# Altium PCB PCB_数电实验板_2022-09 - new.pcbdoc (part 1 of 2)
Units mm, origin at the board's own origin, x right, y up, seen from the top; angles counter-clockwise.
Board outline 266.65 x 159.4 mm, 2 copper layers (Top Layer, Bottom Layer); 213 components, 166 nets, 778 pads, 0 vias.
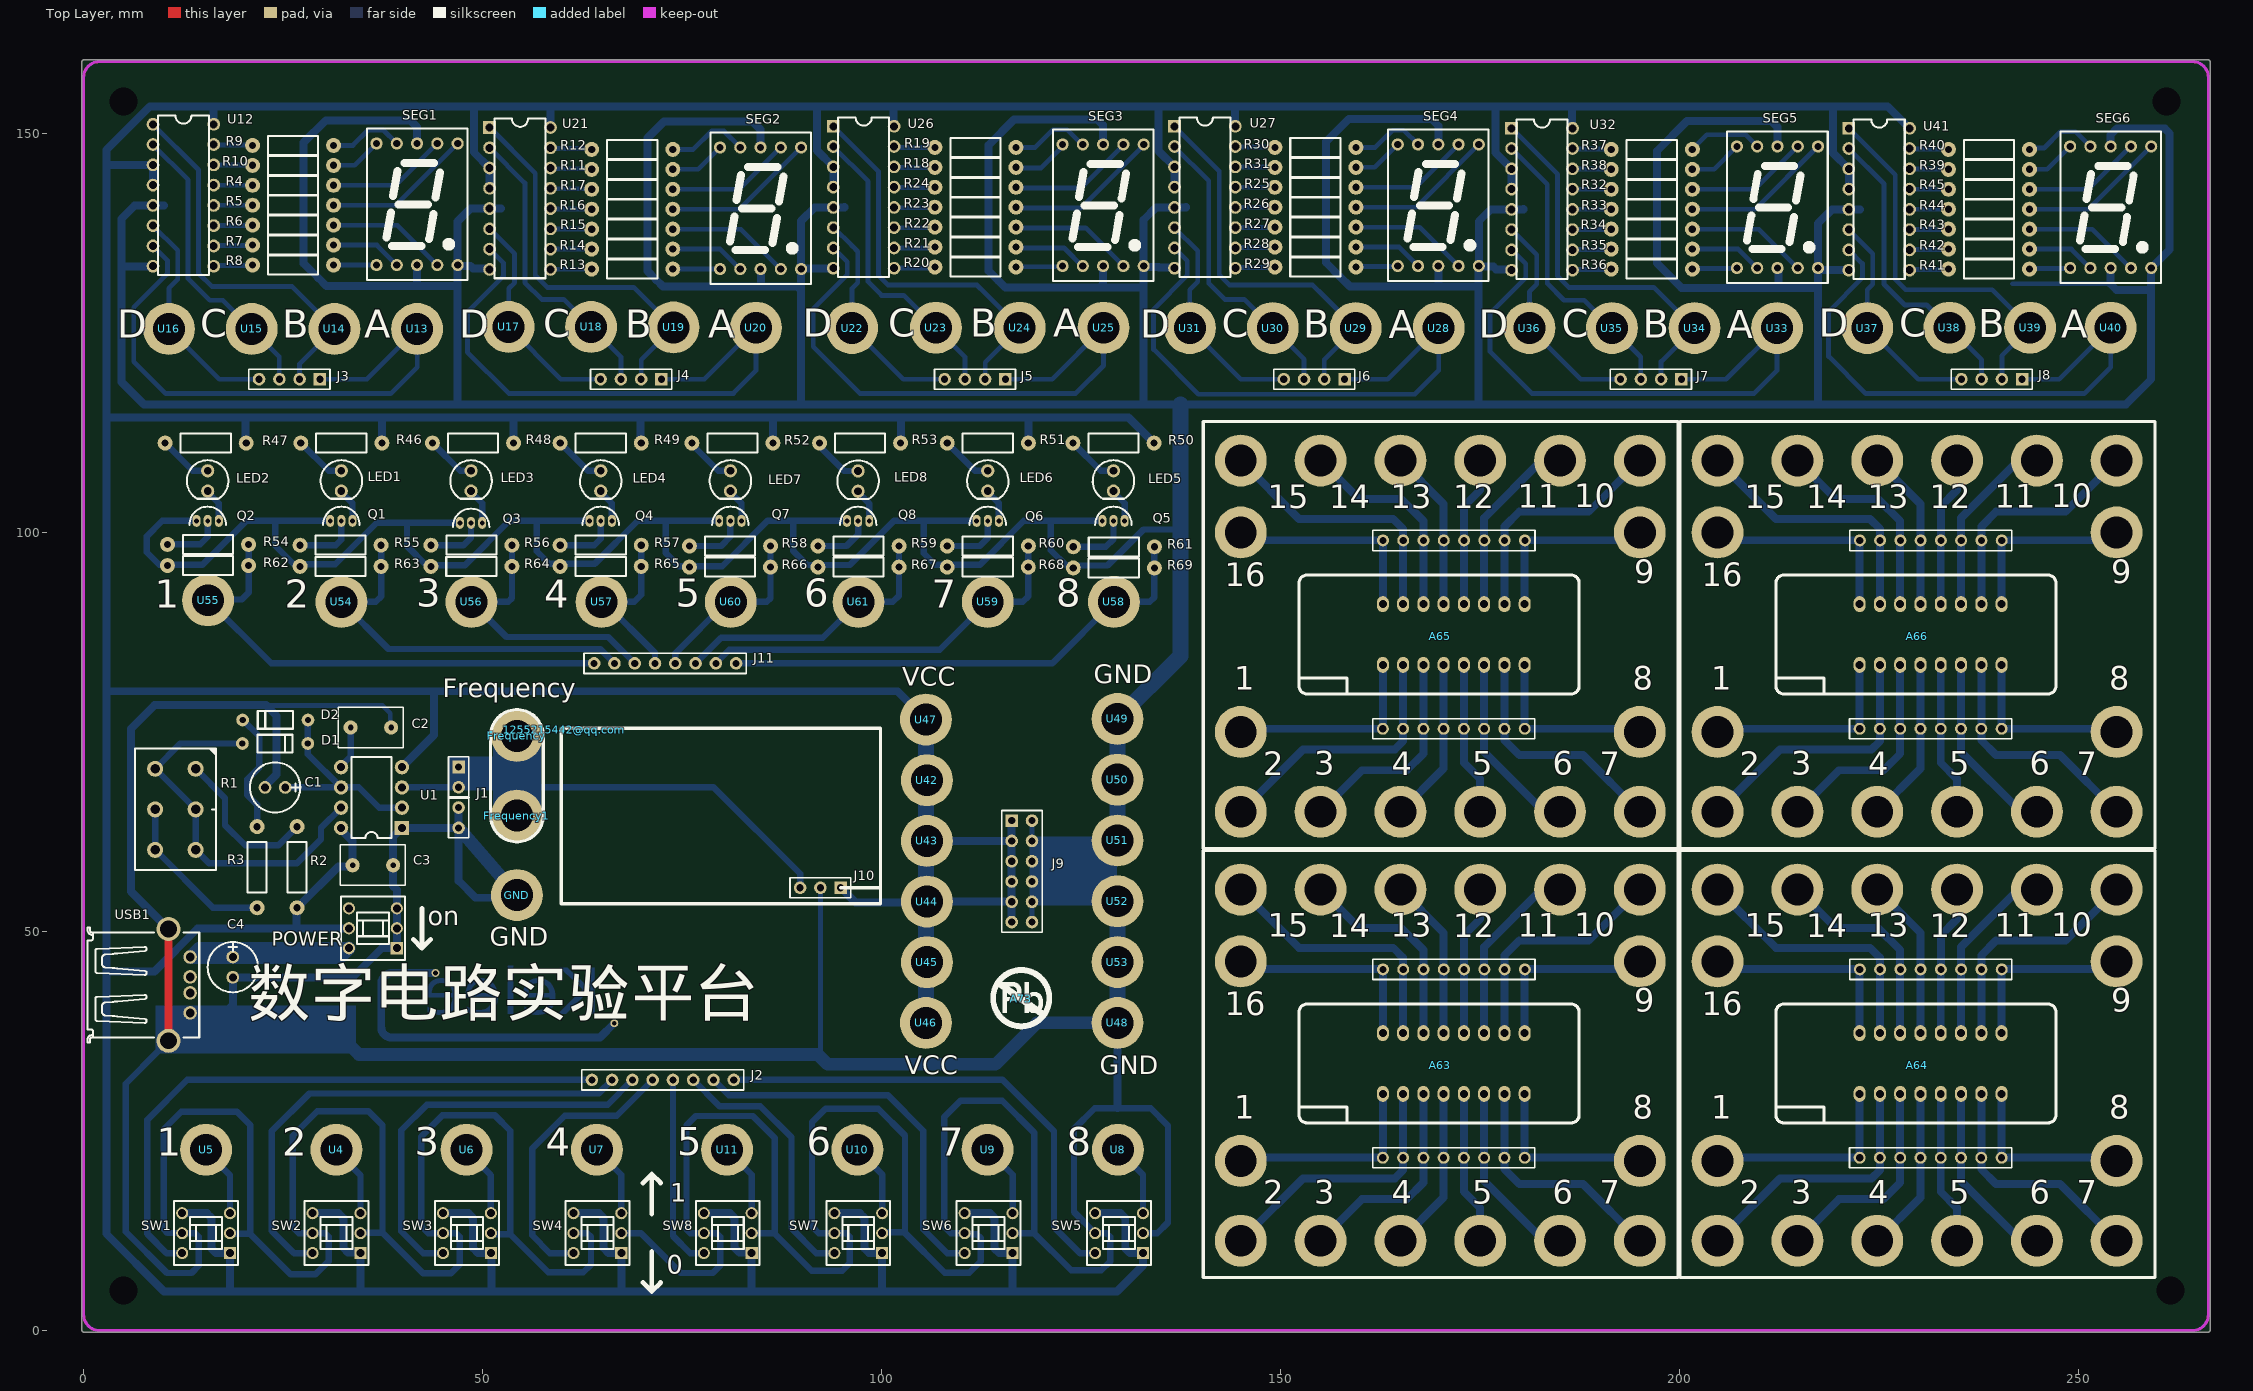
[diagram p0: Top Layer view]
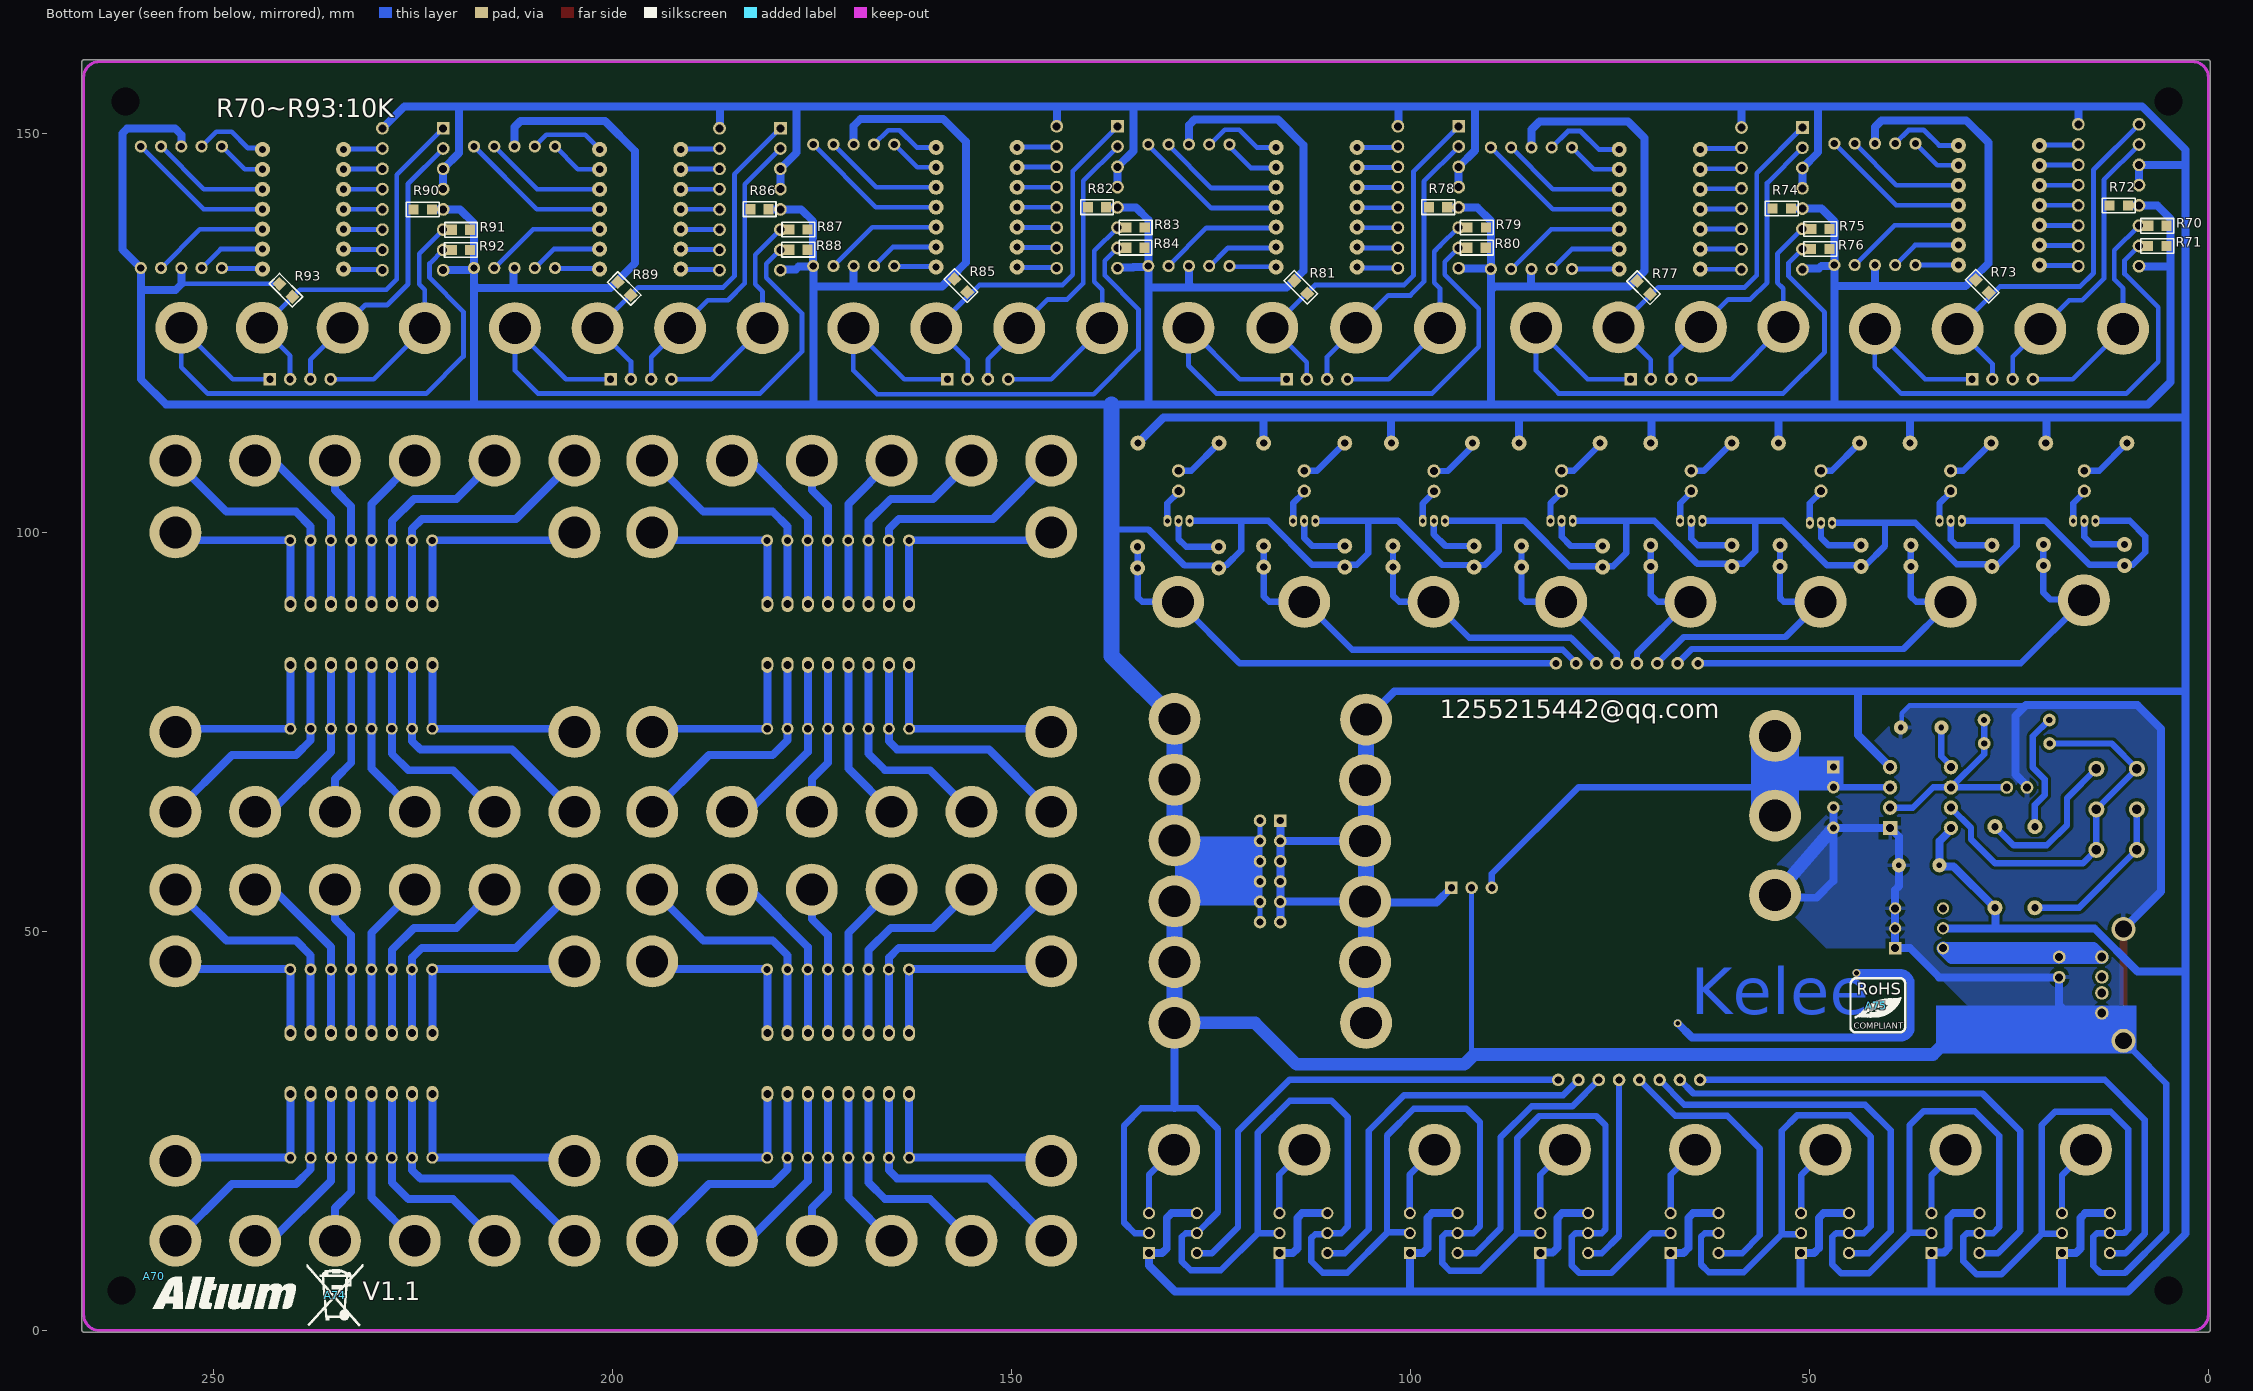
[diagram p1: Bottom Layer view, seen from below]
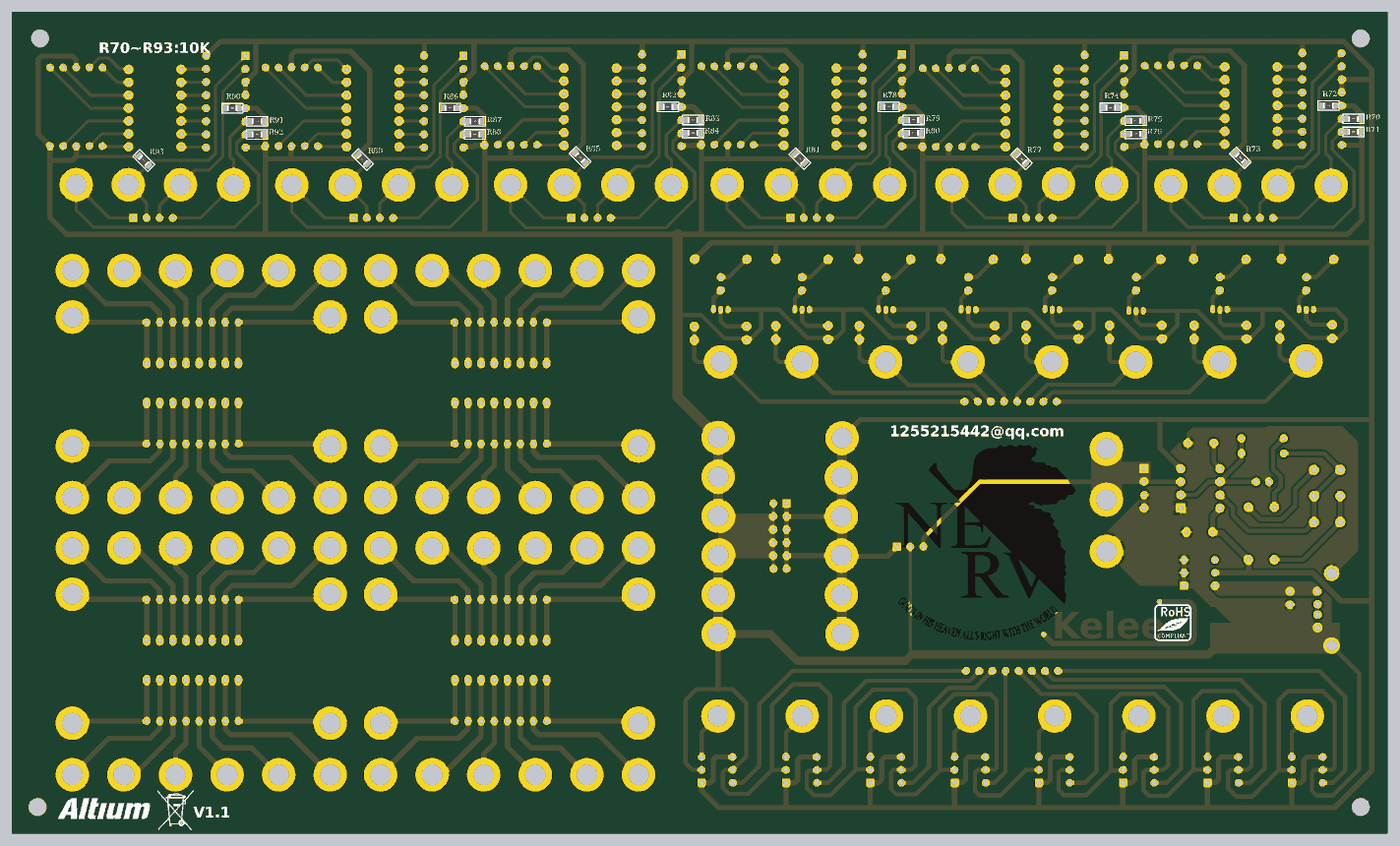
[diagram p3: 3D render of the assembled board from below, using the file's embedded part models]

## Layer stack, top to bottom
Top Solder: solder mask 0.0102, Solder Resist, Dk 3.5
Top Layer: signal copper 0.0356
Dielectric1: dielectric 0.32, FR-4, Dk 4.8
Bottom Layer: signal copper 0.0356
Bottom Solder: solder mask 0.0102, Solder Resist, Dk 3.5

## Board outline
-0.2,0 -0.2,159 cw(c0,159) -0.2,159 cw(c0,159) 0,159.2 266.25,159.2 cw(c266.25,159) 266.45,159 266.45,0 cw(c266.25,0) 266.25,-0.2 0,-0.2 cw(c0,0)

## Design rules (kind name [scope] priority, off if disabled: settings)
AssemblyTestPointUsage [All] p1 off:
AssemblyTestpoint [All] p1 off: testpointundercomponent=TRUE minsize=1.016 maxsize=2.54 preferedsize=1.524 minholesize=0 maxholesize=1.016 preferedholesize=0.813 testpointgrid=0.025 usegrid=TRUE gridtolerance=0 allowsidetop=TRUE allowsidebottom=TRUE
Clearance [All] p1: gap=0.4 ignorepadtopadclearanceinfootprint=TRUE
ComponentClearance [All] p1 off: gap=0.254 collisioncheckmode=3 verticalgap=0.254 showdistances=FALSE
DiffPairsRouting [All] p1 off: maxlimit=0.254 minlimit=0.254 mostfreqgap=0.254 substack1={7C59CE2A-F8EA-431D-9591-10FCB5C553EE} toplayer_{7c59ce2a-f8ea-431d-9591-10fcb5c553ee}_minwidth=0.381 toplayer_{7c59ce2a-f8ea-431d-9591-10fcb5c553ee}_maxwidth=0.381 toplayer_{7c59ce2a-f8ea-431d-9591-10fcb5c553ee}_prefwidth=0.381 bottomlayer_{7c59ce2a-f8ea-431d-9591-10fcb5c553ee}_minwidth=0.381 bottomlayer_{7c59ce2a-f8ea-431d-9591-10fcb5c553ee}_maxwidth=0.381 bottomlayer_{7c59ce2a-f8ea-431d-9591-10fcb5c553ee}_prefwidth=0.381 substack2={9D463DE0-5B85-4EA3-9B83-92F191999BB1} toplayer_{9d463de0-5b85-4ea3-9b83-92f191999bb1}_minwidth=0.381 toplayer_{9d463de0-5b85-4ea3-9b83-92f191999bb1}_maxwidth=0.381 toplayer_{9d463de0-5b85-4ea3-9b83-92f191999bb1}_prefwidth=0.381 bottomlayer_{9d463de0-5b85-4ea3-9b83-92f191999bb1}_minwidth=0.381 bottomlayer_{9d463de0-5b85-4ea3-9b83-92f191999bb1}_maxwidth=0.381 bottomlayer_{9d463de0-5b85-4ea3-9b83-92f191999bb1}_prefwidth=0.381 substack3={BFB879CB-12C7-4EFB-9568-11E793ED11CB} toplayer_{bfb879cb-12c7-4efb-9568-11e793ed11cb}_minwidth=0.381 toplayer_{bfb879cb-12c7-4efb-9568-11e793ed11cb}_maxwidth=0.381 toplayer_{bfb879cb-12c7-4efb-9568-11e793ed11cb}_prefwidth=0.381 bottomlayer_{bfb879cb-12c7-4efb-9568-11e793ed11cb}_minwidth=0.381 bottomlayer_{bfb879cb-12c7-4efb-9568-11e793ed11cb}_maxwidth=0.381 bottomlayer_{bfb879cb-12c7-4efb-9568-11e793ed11cb}_prefwidth=0.381 substack4={4B5122FD-3E89-4E84-9653-AA499EE2DBA4} toplayer_{4b5122fd-3e89-4e84-9653-aa499ee2dba4}_minwidth=0.381 toplayer_{4b5122fd-3e89-4e84-9653-aa499ee2dba4}_maxwidth=0.381 toplayer_{4b5122fd-3e89-4e84-9653-aa499ee2dba4}_prefwidth=0.381 bottomlayer_{4b5122fd-3e89-4e84-9653-aa499ee2dba4}_minwidth=0.381 bottomlayer_{4b5122fd-3e89-4e84-9653-aa499ee2dba4}_maxwidth=0.381 bottomlayer_{4b5122fd-3e89-4e84-9653-aa499ee2dba4}_prefwidth=0.381 toplayer_minwidth=0.381 toplayer_maxwidth=0.381 toplayer_prefwidth=0.381 bottomlayer_minwidth=0.381 bottomlayer_maxwidth=0.381 bottomlayer_prefwidth=0.381 substack5={9C9320A7-74ED-4925-B2ED-8810E6364803} toplayer_{9c9320a7-74ed-4925-b2ed-8810e6364803}_minwidth=0.381 toplayer_{9c9320a7-74ed-4925-b2ed-8810e6364803}_maxwidth=0.381 toplayer_{9c9320a7-74ed-4925-b2ed-8810e6364803}_prefwidth=0.381 bottomlayer_{9c9320a7-74ed-4925-b2ed-8810e6364803}_minwidth=0.381 bottomlayer_{9c9320a7-74ed-4925-b2ed-8810e6364803}_maxwidth=0.381 bottomlayer_{9c9320a7-74ed-4925-b2ed-8810e6364803}_prefwidth=0.381 substack6={85CC2D01-6271-4197-A76E-F43BC440D61A} toplayer_{85cc2d01-6271-4197-a76e-f43bc440d61a}_minwidth=0.381 toplayer_{85cc2d01-6271-4197-a76e-f43bc440d61a}_maxwidth=0.381 toplayer_{85cc2d01-6271-4197-a76e-f43bc440d61a}_prefwidth=0.381 bottomlayer_{85cc2d01-6271-4197-a76e-f43bc440d61a}_minwidth=0.381 bottomlayer_{85cc2d01-6271-4197-a76e-f43bc440d61a}_maxwidth=0.381 bottomlayer_{85cc2d01-6271-4197-a76e-f43bc440d61a}_prefwidth=0.381 substack7={DB400A1C-4D13-4604-8BED-2236C70DC319} toplayer_{db400a1c-4d13-4604-8bed-2236c70dc319}_minwidth=0.381 toplayer_{db400a1c-4d13-4604-8bed-2236c70dc319}_maxwidth=0.381 toplayer_{db400a1c-4d13-4604-8bed-2236c70dc319}_prefwidth=0.381 bottomlayer_{db400a1c-4d13-4604-8bed-2236c70dc319}_minwidth=0.381 bottomlayer_{db400a1c-4d13-4604-8bed-2236c70dc319}_maxwidth=0.381 bottomlayer_{db400a1c-4d13-4604-8bed-2236c70dc319}_prefwidth=0.381 substack8={24B3F2A2-5922-4102-B77F-5C5A281B3E9B} toplayer_{24b3f2a2-5922-4102-b77f-5c5a281b3e9b}_minwidth=0.381 toplayer_{24b3f2a2-5922-4102-b77f-5c5a281b3e9b}_maxwidth=0.381 toplayer_{24b3f2a2-5922-4102-b77f-5c5a281b3e9b}_prefwidth=0.381 bottomlayer_{24b3f2a2-5922-4102-b77f-5c5a281b3e9b}_minwidth=0.381 bottomlayer_{24b3f2a2-5922-4102-b77f-5c5a281b3e9b}_maxwidth=0.381 bottomlayer_{24b3f2a2-5922-4102-b77f-5c5a281b3e9b}_prefwidth=0.381 maxuncoupledlength=12.7
FabricationTestPointUsage [All] p1 off: valid=0 allowmultiple=FALSE
FabricationTestpoint [All] p1 off: side=3 testpointundercomponent=TRUE minsize=1.016 maxsize=2.54 preferedsize=1.524 minholesize=0 maxholesize=1.016 preferedholesize=0.813 testpointgrid=0.025 allowsidetop=TRUE allowsidebottom=TRUE usegrid=TRUE gridtolerance=0
FanoutControl Fanout_BGA [IsBGA] p1 off: bgadir=Out bgaviamode=Centered fanoutstyle=Auto fanoutdirection=Alternating viagrid=0.025 // Fanout_BGA (Default Rule)
FanoutControl Fanout_LCC [IsLCC] p2 off: bgadir=Out bgaviamode=Centered fanoutstyle=Auto fanoutdirection=Alternating viagrid=0.025 // Fanout_LCC (Default Rule)
FanoutControl Fanout_SOIC [IsSOIC] p3 off: bgadir=Out bgaviamode=Centered fanoutstyle=Auto fanoutdirection=Alternating viagrid=0.025 // Fanout_SOIC (Default Rule)
FanoutControl Fanout_Small [(CompPinCount < 5)] p4 off: bgadir=Out bgaviamode=Centered fanoutstyle=Auto fanoutdirection=OutThenIn viagrid=0.025 // Fanout_Small (Default Rule)
FanoutControl Fanout_Default [All] p5 off: bgadir=Out bgaviamode=Centered fanoutstyle=Auto fanoutdirection=Alternating viagrid=0.025 // Fanout_Default (Default Rule)
Height [All] p1 off: minheight=0 maxheight=25.4 prefheight=12.7
HoleSize [All] p1 off: absolutevalues=TRUE maxlimit=2.54 minlimit=0.025 maxpercent=80.000 minpercent=20.000
HoleToHoleClearance [All] p1 off: gap=0.254 allowstackedmicrovias=TRUE
LayerPairs [All] p1 off: enforce=TRUE
MinimumSolderMaskSliver [All] p1 off: minsoldermaskwidth=0.254
NetAntennae [All] p1 off: netantennaetolerance=0
PasteMaskExpansion [All] p1 off: expansion=0
PlaneClearance [All] p1 off: clearance=0.508
PlaneConnect [All] p1 off: planeconnectstyle=Relief reliefexpansion=0.508 reliefentries=4 reliefconductorwidth=0.254 reliefairgap=0.254
PolygonConnect [All] p1: connectstyle=Relief reliefconductorwidth=0.508 reliefentries=4 polygonreliefangle="90 Angle" airgapwidth=0.508
RoutingCorners [All] p1 off: cornerstyle=45-Degree minsetback=2.54 maxsetback=2.54
RoutingLayers [All] p1 off: top layer_v5=TRUE bottom layer_v5=TRUE
RoutingPriority [All] p1 off: routingpriority=0
RoutingTopology [All] p1 off: topology=Shortest
RoutingVias [All] p1: holewidth=0.6 width=0.8 viastyle="Through Hole" minholewidth=0.4 minwidth=0.6 maxholewidth=0.6 maxwidth=0.8
SilkToSilkClearance [All] p1 off: silktosilkclearance=0.254
SilkToSolderMaskClearance [IsPad] p1 off: minsilkscreentomaskgap=0.254 clearancetoexposedcopper=TRUE
SolderMaskExpansion [All] p1 off: expansion=0.102 istentingtop=FALSE
UnRoutedNet [All] p1 off:
UnpouredPolygon [All] p1 off:
Width [All] p1: maxlimit=2 minlimit=0.6 preferedwidth=0.6 substack1={7C59CE2A-F8EA-431D-9591-10FCB5C553EE} substack2={9D463DE0-5B85-4EA3-9B83-92F191999BB1} substack3={BFB879CB-12C7-4EFB-9568-11E793ED11CB} substack4={4B5122FD-3E89-4E84-9653-AA499EE2DBA4} substack5={9C9320A7-74ED-4925-B2ED-8810E6364803} substack6={85CC2D01-6271-4197-A76E-F43BC440D61A} substack7={DB400A1C-4D13-4604-8BED-2236C70DC319} substack8={24B3F2A2-5922-4102-B77F-5C5A281B3E9B}
2 further rules are at their usual default settings.

## Classes and differential pairs
component class SCH_2022-03-12: C1 C2 C3 C4 D1 D2 Frequency GND J1 J2 J3 J4 J5 J6 J7 J8 J9 J10 LED1 LED2 LED3 LED4 LED5 LED6 LED7 LED8 Q1 Q2 Q3 Q4 Q5 Q6 Q7 Q8 R1 R2 R3 R4 R5 R6 R7 R8 R9 R10 R11 R12 R13 R14 R15 R16 R17 R18 R19 R20 R21 R22 R23 R24 R25 R26 R27 R28 R29 R30 R31 R32 R33 R34 R35 R36 R37 R38 R39 R40 R41 R42 R43 R44 R45 R46 R47 R48 R49 R50 R51 R52 R53 SEG1 SEG2 SEG3 SEG4 SEG5 SEG6 SW1 SW2 SW3 SW4 SW5 SW6 SW7 SW8 U1 U4 U5 U6 U7 U8 U9 U10 U11 U12 U13 U14 U15 U16 U17 U18 U19 U20 U21 U22 U23 U24 U25 U26 U27 U28 U29 U30 U31 U32 U33 U34 U35 U36 U37 U38 U39 U40 U41 U42 U43 U44 U45 U46 U47 U48 U49 U50 U51 U52 U53 USB1

## Components (designator, comment, footprint, x,y, rotation, side; value= is the part's Value field where it differs from the comment)
1255215442@qq.com "Comment" NERV 60.25,75.3 r0 top
A63 "Comment" dip16引出模块 162.8,29.65 r90 top
A64 "Comment" dip16引出模块 222.55,29.65 r90 top
A65 "Comment" dip16引出模块 162.8,83.4 r90 top
A66 "Comment" dip16引出模块 222.55,83.4 r90 top
A70 "Comment" Altium_Logo 257.4,6.8 r180 bottom
A73 "Comment" ICO2 117.5,41.6 r0 top
A74 "Comment" ICO3 234.7,4.4 r180 bottom
A75 "Comment" ICO4 41.6,40.7 r180 bottom
C1 "10uF" CAP-TH_BD1.0-P2.54-D6.3-FD 24,68.05 r180 top
C2 "10nF" RAD-0.2 36,75.55 r0 top
C3 "0.1u" RAD-0.2 36.25,58.3 r0 top
C4 "10uF" CAP-TH_BD1.0-P2.54-D6.3-FD 18.7,45.53 r270 top (schematic designator C1)
D1 "1N4148" DO-35_BD2.0-L4.2-P8.20-D0.5-RD 24,73.55 r180 top
D2 "1N4148" DO-35_BD2.0-L4.2-P8.20-D0.5-RD 24.025,76.5 r0 top
Frequency "焊盘" ?#1 54.3,74.5 r0 top (schematic designator U2)
Frequency1 "焊盘" ?#1 54.3,64.525 r0 top (schematic designator U2)
GND "焊盘" ?#1 54.3,54.55 r0 top (schematic designator U3)
J1 "HDR-M-2.54_1x4" HDR-M-2.54_1X4 47,66.8 r270 top
J2 "HDR-M-2.54_1x8" HDR-M-2.54_1X8 73.85,31.4 r0 top
J3 "HDR-M-2.54_1x4" HDR-M-2.54_1X4 25.8,119.2 r180 top
J4 "HDR-M-2.54_1x4" HDR-M-2.54_1X4 68.6,119.2 r180 top
J5 "HDR-M-2.54_1x4" HDR-M-2.54_1X4 111.7,119.2 r180 top
J6 "HDR-M-2.54_1x4" HDR-M-2.54_1X4 154.2,119.2 r180 top
J7 "HDR-M-2.54_1x4" HDR-M-2.54_1X4 196.4,119.2 r180 top
J8 "HDR-M-2.54_1x4" HDR-M-2.54_1X4 239.1,119.2 r180 top
J9 "HDR-M-2.54_2x6" HDR-M-2.54_2X6 117.57,57.53 r270 top
J10 "HDR-M-2.54_1x3" HDR-M-2.54_1X3 92.325,55.475 r180 top
J11 "HDR-M-2.54_1x8" HDR-M-2.54_1X8 74.14,83.6 r0 top
LED1 "LED-TH-5mm_G" LED-TH_BD5.0_GREEN 32.3,106.45 r0 top
LED2 "LED-TH-5mm_G" LED-TH_BD5.0_GREEN 15.55,106.45 r0 top
LED3 "LED-TH-5mm_G" LED-TH_BD5.0_GREEN 48.55,106.45 r0 top
LED4 "LED-TH-5mm_G" LED-TH_BD5.0_GREEN 64.8,106.45 r0 top
LED5 "LED-TH-5mm_G" LED-TH_BD5.0_GREEN 129.05,106.45 r0 top
LED6 "LED-TH-5mm_G" LED-TH_BD5.0_GREEN 113.3,106.45 r0 top
LED7 "LED-TH-5mm_G" LED-TH_BD5.0_GREEN 81.05,106.45 r0 top
LED8 "LED-TH-5mm_G" LED-TH_BD5.0_GREEN 97.05,106.43 r0 top
POWER "XKB8080-Z" SW-TH_6P-L8.0-W8.0-P2.50 36.25,50.4 r90 top (schematic designator SW1)
Q1 "npn-to92" ?#2 32.3,101.323 r90 top
Q2 "npn-to92" ?#2 15.55,101.323 r90 top
Q3 "npn-to92" ?#2 48.55,101.073 r90 top
Q4 "npn-to92" ?#2 64.8,101.323 r90 top
Q5 "npn-to92" ?#2 129.05,101.323 r90 top
Q6 "npn-to92" ?#2 113.3,101.323 r90 top
Q7 "npn-to92" ?#2 81.05,101.323 r90 top
Q8 "npn-to92" ?#2 97.05,101.323 r90 top
R1 "50k" ?#3 11.5,65.3 r270 top
R2 "100" R_AXIAL-0.4 26.75,58.05 r270 top
R3 "100" R_AXIAL-0.4 21.75,58.05 r90 top
R4 "300" R_AXIAL-0.4 26.25,143.5 r0 top
R5 "300" R_AXIAL-0.4 26.25,141 r0 top
R6 "300" R_AXIAL-0.4 26.25,138.5 r0 top
R7 "300" R_AXIAL-0.4 26.25,136 r0 top
R8 "300" R_AXIAL-0.4 26.25,133.5 r0 top
R9 "300" R_AXIAL-0.4 26.25,148.5 r0 top
R10 "300" R_AXIAL-0.4 26.25,146 r0 top
R11 "300" R_AXIAL-0.4 68.75,145.5 r0 top
R12 "300" R_AXIAL-0.4 68.75,148 r0 top
R13 "300" R_AXIAL-0.4 68.75,133 r0 top
R14 "300" R_AXIAL-0.4 68.75,135.5 r0 top
R15 "300" R_AXIAL-0.4 68.75,138 r0 top
R16 "300" R_AXIAL-0.4 68.75,140.5 r0 top
R17 "300" R_AXIAL-0.4 68.75,143 r0 top
R18 "300" R_AXIAL-0.4 111.75,145.75 r0 top
R19 "300" R_AXIAL-0.4 111.75,148.25 r0 top
R20 "300" R_AXIAL-0.4 111.75,133.25 r0 top
R21 "300" R_AXIAL-0.4 111.75,135.75 r0 top
R22 "300" R_AXIAL-0.4 111.75,138.25 r0 top
R23 "300" R_AXIAL-0.4 111.75,140.75 r0 top
R24 "300" R_AXIAL-0.4 111.75,143.25 r0 top
R25 "300" R_AXIAL-0.4 154.35,143.25 r0 top
R26 "300" R_AXIAL-0.4 154.35,140.75 r0 top
R27 "300" R_AXIAL-0.4 154.35,138.25 r0 top
R28 "300" R_AXIAL-0.4 154.35,135.75 r0 top
R29 "300" R_AXIAL-0.4 154.35,133.25 r0 top
R30 "300" R_AXIAL-0.4 154.35,148.25 r0 top
R31 "300" R_AXIAL-0.4 154.35,145.75 r0 top
R32 "300" R_AXIAL-0.4 196.5,143 r0 top
R33 "300" R_AXIAL-0.4 196.5,140.5 r0 top
R34 "300" R_AXIAL-0.4 196.5,138 r0 top
R35 "300" R_AXIAL-0.4 196.5,135.5 r0 top
R36 "300" R_AXIAL-0.4 196.5,133 r0 top
R37 "300" R_AXIAL-0.4 196.5,148 r0 top
R38 "300" R_AXIAL-0.4 196.5,145.5 r0 top
R39 "300" R_AXIAL-0.4 238.75,145.5 r0 top
R40 "300" R_AXIAL-0.4 238.75,148 r0 top
R41 "300" R_AXIAL-0.4 238.75,133 r0 top
R42 "300" R_AXIAL-0.4 238.75,135.5 r0 top
R43 "300" R_AXIAL-0.4 238.75,138 r0 top
R44 "300" R_AXIAL-0.4 238.75,140.5 r0 top
R45 "300" R_AXIAL-0.4 238.75,143 r0 top
R46 "1k" R_AXIAL-0.4 32.3,111.2 r0 top
R47 "1k" R_AXIAL-0.4 15.3,111.2 r0 top
R48 "1k" R_AXIAL-0.4 48.8,111.2 r0 top
R49 "1k" R_AXIAL-0.4 64.8,111.2 r0 top
R50 "1k" R_AXIAL-0.4 129.05,111.2 r0 top
R51 "1k" R_AXIAL-0.4 113.3,111.2 r0 top
R52 "1k" R_AXIAL-0.4 81.3,111.2 r0 top
R53 "1k" R_AXIAL-0.4 97.3,111.2 r0 top
R54 "2k" R_AXIAL-0.4 15.6,98.5 r0 top
R55 "2k" R_AXIAL-0.4 32.2,98.4 r0 top
R56 "2k" R_AXIAL-0.4 48.6,98.4 r0 top
R57 "2k" R_AXIAL-0.4 64.8,98.4 r0 top
R58 "2k" R_AXIAL-0.4 81,98.3 r0 top
R59 "2k" R_AXIAL-0.4 97.1,98.3 r0 top
R60 "2k" R_AXIAL-0.4 113.3,98.3 r0 top
R61 "2k" R_AXIAL-0.4 129.1,98.2 r0 top
R62 "2k" R_AXIAL-0.4 15.595,95.85 r0 top (schematic designator R54)
R63 "2k" R_AXIAL-0.4 32.2,95.75 r0 top (schematic designator R55)
R64 "2k" R_AXIAL-0.4 48.595,95.75 r0 top (schematic designator R56)
R65 "2k" R_AXIAL-0.4 64.795,95.75 r0 top (schematic designator R57)
R66 "2k" R_AXIAL-0.4 80.988,95.65 r0 top (schematic designator R58)
R67 "2k" R_AXIAL-0.4 97.095,95.65 r0 top (schematic designator R59)
R68 "2k" R_AXIAL-0.4 113.295,95.65 r0 top (schematic designator R60)
R69 "2k" R_AXIAL-0.4 129.095,95.55 r0 top (schematic designator R61)
R70 "Comment" "R 0805_M" 6.4,138.425 r180 bottom
R71 "Comment" "R 0805_M" 6.407,135.9 r180 bottom
R72 "Comment" "R 0805_M" 11.232,140.975 r180 bottom
R73 "Comment" "R 0805_M" 28.342,130.842 r225 bottom
R74 "Comment" "R 0805_M" 53.464,140.575 r180 bottom
R75 "Comment" "R 0805_M" 48.632,138.025 r180 bottom
R76 "Comment" "R 0805_M" 48.639,135.5 r180 bottom
R77 "Comment" "R 0805_M" 70.775,130.675 r225 bottom
R78 "Comment" "R 0805_M" 96.514,140.75 r180 bottom
R79 "Comment" "R 0805_M" 91.682,138.2 r180 bottom
R80 "Comment" "R 0805_M" 91.689,135.675 r180 bottom
R81 "Comment" "R 0805_M" 113.725,130.725 r225 bottom
R82 "Comment" "R 0805_M" 139.264,140.75 r180 bottom
R83 "Comment" "R 0805_M" 134.432,138.2 r180 bottom
R84 "Comment" "R 0805_M" 134.439,135.675 r180 bottom
R85 "Comment" "R 0805_M" 156.325,130.925 r225 bottom
R86 "Comment" "R 0805_M" 181.55,140.5 r180 bottom
R87 "Comment" "R 0805_M" 176.682,137.95 r180 bottom
R88 "Comment" "R 0805_M" 176.689,135.425 r180 bottom
R89 "Comment" "R 0805_M" 198.5,130.55 r225 bottom
R90 "Comment" "R 0805_M" 223.75,140.475 r180 bottom
R91 "Comment" "R 0805_M" 218.957,137.925 r180 bottom
R92 "Comment" "R 0805_M" 218.964,135.4 r180 bottom
R93 "Comment" "R 0805_M" 240.899,130.342 r225 bottom
SEG1 "SEG-TH_0.56×1_Cathode" LED-SEG-TH_10P-L12.6-W19.0-P2.54-S15.24-BL 41.79,141.12 r0 top
SEG2 "SEG-TH_0.56×1_Cathode" LED-SEG-TH_10P-L12.6-W19.0-P2.54-S15.24-BL 84.83,140.62 r0 top
SEG3 "SEG-TH_0.56×1_Cathode" LED-SEG-TH_10P-L12.6-W19.0-P2.54-S15.24-BL 127.75,141 r0 top
SEG4 "SEG-TH_0.56×1_Cathode" LED-SEG-TH_10P-L12.6-W19.0-P2.54-S15.24-BL 169.75,141 r0 top
SEG5 "SEG-TH_0.56×1_Cathode" LED-SEG-TH_10P-L12.6-W19.0-P2.54-S15.24-BL 212.25,140.75 r0 top
SEG6 "SEG-TH_0.56×1_Cathode" LED-SEG-TH_10P-L12.6-W19.0-P2.54-S15.24-BL 254,140.75 r0 top
SW1 "XKB8080-Z" SW-TH_6P-L8.0-W8.0-P2.50 15.35,12.2 r90 top
SW2 "XKB8080-Z" SW-TH_6P-L8.0-W8.0-P2.50 31.693,12.2 r90 top
SW3 "XKB8080-Z" SW-TH_6P-L8.0-W8.0-P2.50 48.036,12.2 r90 top
SW4 "XKB8080-Z" SW-TH_6P-L8.0-W8.0-P2.50 64.38,12.2 r90 top
SW5 "XKB8080-Z" SW-TH_6P-L8.0-W8.0-P2.50 129.752,12.2 r90 top
SW6 "XKB8080-Z" SW-TH_6P-L8.0-W8.0-P2.50 113.409,12.2 r90 top
SW7 "XKB8080-Z" SW-TH_6P-L8.0-W8.0-P2.50 97.066,12.2 r90 top
SW8 "XKB8080-Z" SW-TH_6P-L8.0-W8.0-P2.50 80.723,12.2 r90 top
U1 "NE555N_C5161" DIP-8_L9.7-W6.4-P2.54-LS7.6-BL 36.078,66.781 r90 top
U4 "焊盘" ?#1 31.671,22.65 r0 top
U5 "焊盘" ?#1 15.35,22.65 r0 top
U6 "焊盘" ?#1 47.993,22.65 r0 top
U7 "焊盘" ?#1 64.314,22.65 r0 top
U8 "焊盘" ?#1 129.6,22.65 r0 top
U9 "焊盘" ?#1 113.279,22.65 r0 top
U10 "焊盘" ?#1 96.957,22.65 r0 top
U11 "焊盘" ?#1 80.636,22.65 r0 top
U12 "CD4511BE" DIP-16_L19.8-W6.5-P2.54-LS7.6-BL#1 12.5,142.25 r270 top
U13 "焊盘" ?#1 41.8,125.5 r270 top
U14 "焊盘" ?#1 31.433,125.5 r270 top
U15 "焊盘" ?#1 21.067,125.5 r270 top
U16 "焊盘" ?#1 10.7,125.5 r270 top
U17 "焊盘" ?#1 53.267,125.75 r0 top
U18 "焊盘" ?#1 63.594,125.75 r0 top
U19 "焊盘" ?#1 73.922,125.7 r0 top
U20 "焊盘" ?#1 84.25,125.65 r0 top
U21 "CD4511BE" DIP-16_L19.8-W6.5-P2.54-LS7.6-BL#2 54.69,141.85 r270 top
U22 "焊盘" ?#1 96.3,125.6 r0 top
U23 "焊盘" ?#1 106.8,125.65 r0 top
U24 "焊盘" ?#1 117.3,125.65 r0 top
U25 "焊盘" ?#1 127.8,125.65 r0 top
U26 "CD4511BE" DIP-16_L19.8-W6.5-P2.54-LS7.6-BL#2 97.75,142 r270 top
U27 "CD4511BE" DIP-16_L19.8-W6.5-P2.54-LS7.6-BL#2 140.5,142 r270 top
U28 "焊盘" ?#1 169.8,125.6 r0 top
U29 "焊盘" ?#1 159.406,125.6 r0 top
U30 "焊盘" ?#1 149.011,125.6 r0 top
U31 "焊盘" ?#1 138.617,125.6 r0 top
U32 "CD4511BE" DIP-16_L19.8-W6.5-P2.54-LS7.6-BL#2 182.75,141.75 r270 top
U33 "焊盘" ?#1 212.2,125.6 r0 top
U34 "焊盘" ?#1 201.856,125.6 r0 top
U35 "焊盘" ?#1 191.511,125.6 r0 top
U36 "焊盘" ?#1 181.167,125.6 r0 top
U37 "焊盘" ?#1 223.5,125.6 r0 top
U38 "焊盘" ?#1 233.8,125.65 r0 top
U39 "焊盘" ?#1 243.9,125.65 r0 top
U40 "焊盘" ?#1 254,125.65 r0 top
U41 "CD4511BE" DIP-16_L19.8-W6.5-P2.54-LS7.6-BL#2 225,141.75 r270 top
U42 "焊盘" ?#1 105.672,68.95 r0 top
U43 "焊盘" ?#1 105.672,61.35 r0 top
U44 "焊盘" ?#1 105.672,53.75 r0 top
U45 "焊盘" ?#1 105.672,46.15 r0 top
U46 "焊盘" ?#1 105.55,38.55 r0 top
U47 "焊盘" ?#1 105.55,76.55 r0 top
U48 "焊盘" ?#1 129.55,38.55 r0 top
U49 "焊盘" ?#1 129.55,76.634 r0 top
U50 "焊盘" ?#1 129.55,69.017 r0 top
U51 "焊盘" ?#1 129.55,61.4 r0 top
U52 "焊盘" ?#1 129.55,53.784 r0 top
U53 "焊盘" ?#1 129.55,46.167 r0 top
U54 "焊盘" ?#1 32.3,91.3 r0 top
U55 "焊盘" ?#1 15.6,91.5 r0 top
U56 "焊盘" ?#1 48.6,91.3 r0 top
U57 "焊盘" ?#1 64.9,91.3 r0 top
U58 "焊盘" ?#1 129.1,91.3 r0 top
U59 "焊盘" ?#1 113.3,91.3 r0 top
U60 "焊盘" ?#1 81.1,91.3 r0 top
U61 "焊盘" ?#1 97.1,91.3 r0 top
USB1 "JTJ-USB-AF-08" USB-A-TH__USB-AF-90 12,43.3 r270 top

## Footprints (in the part's own frame and the unit in brackets; to place one, negate y for a bottom-side part, rotate by r counter-clockwise, add the part's x,y. Pads: shape width x height; smd on the part's side, far side on the other; paste and mask are expansions set on the pad)
Altium_Logo [mm]
  silkscreen extent -0.15,-4.13 17.73,-0.11
CAP-TH_BD1.0-P2.54-D6.3-FD [mm]
  round 1.6 hole 1: 1(-1.27,0) 2(1.27,0)
  silkscreen extent -3.15,-3.15 3.15,3.15
dip16引出模块 [mm]
  round 6.5 hole 4: 1(-8.4,17.8) 2(-18.4,17.8) 3(-18.4,7.8) 4(-18.4,-2.2) 5(-18.4,-12.2) 6(-18.4,-22.2) 7(-18.4,-32.2) 8(-8.4,-32.2) 9(16.6,-32.2) 10(25.6,-32.2) 11(25.6,-22.2) 12(25.6,-12.2) 13(25.6,-2.2) 14(25.6,7.8) 15(25.6,17.8) 16(16.6,17.8)
  round 1.5 hole 0.9: 1(-8,0) 2(-8,-2.54) 3(-8,-5.08) 4(-8,-7.62) 5(-8,-10.16) 6(-8,-12.7) 7(-8,-15.24) 8(-8,-17.78) 9(15.6,-17.8) 10(15.6,-15.26) 11(15.6,-12.72) 12(15.6,-10.18) 13(15.6,-7.64) 14(15.6,-5.1) 15(15.6,-2.56) 16(15.6,-0.02)
  oval 2x1.5 hole 1: 1(0,0) 2(0,-2.54) 3(0,-5.08) 4(0,-7.62) 5(0,-10.16) 6(0,-12.7) 7(0,-15.24) 8(0,-17.78) 9(7.62,-17.78) 10(7.62,-15.24) 11(7.62,-12.7) 12(7.62,-10.16) 13(7.62,-7.62) 14(7.62,-5.08) 15(7.62,-2.54) 16(7.62,0)
  Bottom Layer lines w1: -17.6,17.8 -17.6,17 -10.6,10 -10.6,-1.5 -9.56,-2.54 -8,-2.54 0,-2.54 ; 25.6,17.8 18.3,10.5 18.3,-1.3 17.06,-2.54 15.62,-2.54 7.62,-2.54 ; -8,17.4 -8,0 0,0 ; 15.62,16.82 15.62,0 7.62,0 ; -18.4,7.8 -13.2,2.6 -13.2,-3 -11.12,-5.08 -8,-5.08 0,-5.08 ; 25.6,7.8 20.8,3 20.8,-2.3 18.02,-5.08 15.62,-5.08 7.62,-5.08 ; -18.4,-2.2 -12.98,-7.62 -8,-7.62 0,-7.62 ; 25.6,-2.2 20.18,-7.62 15.62,-7.62 7.62,-7.62 ; 0,-10.16 -8,-10.16 -12.26,-10.16 -14.3,-12.2 -18.4,-12.2 ; 7.62,-10.16 15.62,-10.16 ; 15.6,-10.18 19.88,-10.18 21.9,-12.2 25.6,-12.2 ; 0,-12.7 -8,-12.7 -10.9,-12.7 -18.4,-20.2 -18.4,-22.2 ; 7.62,-12.7 15.62,-12.7 18.4,-12.7 25.6,-19.9 25.6,-22.2 ; 0,-15.24 -8,-15.24 -9.44,-15.24 -11.3,-17.1 -11.3,-25.1 -18.4,-32.2 ; 7.62,-15.24 15.62,-15.24 ; 15.6,-15.26 17.36,-15.26 19.2,-17.1 19.2,-25.8 25.6,-32.2 ; 0,-17.78 -8,-17.78 -8,-31.8 -8.4,-32.2 ; 7.62,-17.78 15.62,-17.78 15.62,-31.92 16.1,-32.4
  silkscreen extent -23,-37 30.5,22.5, body extent -8.67,-18.25 16.87,2.07, height 8.54
DIP-8_L9.7-W6.4-P2.54-LS7.6-BL [mm]
  rect 1.8x1.8 hole 1: 1(-3.81,-3.81)
  round 1.8 hole 1: 2(-1.27,-3.81) 3(1.27,-3.81) 4(3.81,-3.81) 5(3.81,3.81) 6(1.27,3.81) 7(-1.27,3.81) 8(-3.81,3.81)
  silkscreen extent -5.08,-2.53 5.08,2.53
DIP-16_L19.8-W6.5-P2.54-LS7.6-BL#1 [mm]
  round 1.6 hole 1: 1(-8.89,-3.81) 2(-6.35,-3.81) 3(-3.81,-3.81) 4(-1.27,-3.81) 5(1.27,-3.81) 6(3.81,-3.81) 7(6.35,-3.81) 8(8.89,-3.81) 9(8.89,3.81) 10(6.35,3.81) 11(3.81,3.81) 12(1.27,3.81) 13(-1.27,3.81) 14(-3.81,3.81) 15(-6.35,3.81) 16(-8.89,3.81)
  silkscreen extent -10,-3.2 10,3.2
DIP-16_L19.8-W6.5-P2.54-LS7.6-BL#2 [mm]
  rect 1.6x1.6 hole 1: 1(-8.89,-3.81)
  round 1.6 hole 1: 2(-6.35,-3.81) 3(-3.81,-3.81) 4(-1.27,-3.81) 5(1.27,-3.81) 6(3.81,-3.81) 7(6.35,-3.81) 8(8.89,-3.81) 9(8.89,3.81) 10(6.35,3.81) 11(3.81,3.81) 12(1.27,3.81) 13(-1.27,3.81) 14(-3.81,3.81) 15(-6.35,3.81) 16(-8.89,3.81)
  silkscreen extent -10,-3.2 10,3.2
DO-35_BD2.0-L4.2-P8.20-D0.5-RD [mm]
  round 1.6 hole 0.8: 1(-4.1,0) 2(4.1,0)
  silkscreen extent -2.2,-1.1 2.2,1.1
HDR-M-2.54_1X3 [mil]
  rect 62x62 hole 35: 1(-100,0)
  round 62 hole 35: 2(0,0) 3(100,0)
  silkscreen extent -150,-50 150,50
HDR-M-2.54_1X4 [mil]
  rect 62x62 hole 35: 1(-150,0)
  round 62 hole 35: 2(-50,0) 3(50,0) 4(150,0)
  silkscreen extent -200,-50 200,50
HDR-M-2.54_1X8 [mil]
  round 62 hole 35: 1(-400,0) 2(-300,0) 3(-200,0) 4(-100,0) 5(0,0) 6(100,0) 7(200,0) 8(300,0)
  silkscreen extent -450,-50 350,50
HDR-M-2.54_2X6 [mil]
  rect 62x62 hole 35: 1(-250,-50)
  round 62 hole 35: 2(-250,50) 3(-150,-50) 4(-150,50) 5(-50,-50) 6(-50,50) 7(50,-50) 8(50,50) 9(150,-50) 10(150,50) 11(250,-50) 12(250,50)
  silkscreen extent -300,-100 300,100
ICO2 [mm]
  silkscreen extent -3.84,-3.76 3.84,3.89
ICO3 [mm]
  silkscreen extent -3.58,-3.86 3.48,3.86
ICO4 [mm]
  silkscreen extent -3.25,-3.35 3.61,3.46
LED-SEG-TH_10P-L12.6-W19.0-P2.54-S15.24-BL [mil]
  round 60 hole 36: 1(-200,-300) 2(-100,-300) 3(0,-300) 4(100,-300) 5(200,-300) 6(200,300) 7(100,300) 8(0,300) 9(-100,300) 10(-200,300)
  silkscreen extent -248,-374 248,374
LED-TH_BD5.0_GREEN [mil]
  round 65 hole 38: 1(0,50) 2(0,-50)
  silkscreen extent -102,-88 102,102
NERV [mm]
"R 0805_M" [mil] "1/8W贴片电阻"
  rect 50x50 smd: 1(-45,0) 2(45,0)
  silkscreen extent -81,-36 81,36, body extent -39,-25 39,25, height 20
R_AXIAL-0.4 [mil]
  round 74 hole 35.4: 1(-200,0) 2(200,0)
  silkscreen extent -124,-47 124,47
RAD-0.2 [mil]
  round 70 hole 28: 1(100,0) 2(-100,0)
  silkscreen extent -160,-100 160,100
SW-TH_6P-L8.0-W8.0-P2.50 [mm]
  rect 1.524x1.524 hole 1: 1(-2.5,-3)
  round 1.524 hole 1: 2(0,-3) 3(2.5,-3) 4(-2.5,3) 5(0,3) 6(2.5,3)
  silkscreen extent -4,-4 4,4
USB-A-TH__USB-AF-90 [mm]
  round 1.7 hole 1.1: 1(-3.5,1.355) 2(-1,1.355) 3(1,1.355) 4(3.5,1.355)
  round 3 hole 2.1: SH1(7,-1.355) SH2(-7,-1.355)
  silkscreen extent -7.22,-11.51 7.22,2.49
?#1 [mm]
  round 6.5 hole 4: 1(0,0)
?#2 [mm]
  oval 1.5x1 hole 0.6: 1(0.127,1.397) 2(0.127,0) 3(0.127,-1.397)
  silkscreen extent -0.38,-2.29 1.9,2.29
?#3 [mm]
  round 2 hole 1.2: 1(-5.08,2.54) 2(0,2.54) 3(5.08,2.54) 4(5.08,-2.54) 5(0,-2.54) 6(-5.08,-2.54)
  silkscreen extent -7.62,-5.08 7.62,5.08

## Free pads (board coordinates)
  round 0 hole 3.5: 17(5,154) 18(5,5) 19(261.5,5) 20(261,154)
  round 1 hole 0.6: 21(44.1,44.8) 21(66.5,38.5)

## Nets (pads, with @x,y where several pads share a name; then routed paths per layer and width w, separated by ;. In a path a pad name is that pad's centre, name@x,y a point inside that pad or via, vN(x,y) a via of type N, cw(c..) or ccw(c..) an arc to the next point about the centre after c; other vN are vias at no path point)
BVcc: C4.1 POWER.4 USB1.1 | length 40.7
  Bottom Layer w1.6: USB1.1@13.355,46.8 14.455,47.9 POWER.4@33.25,47.9
  Bottom Layer w1.7: USB1.1@13.355,46.8 C4.1@18.7,46.8 32.15,46.8 POWER.4@33.25,47.9